# Allegro board 08_041351d.brd (continued)
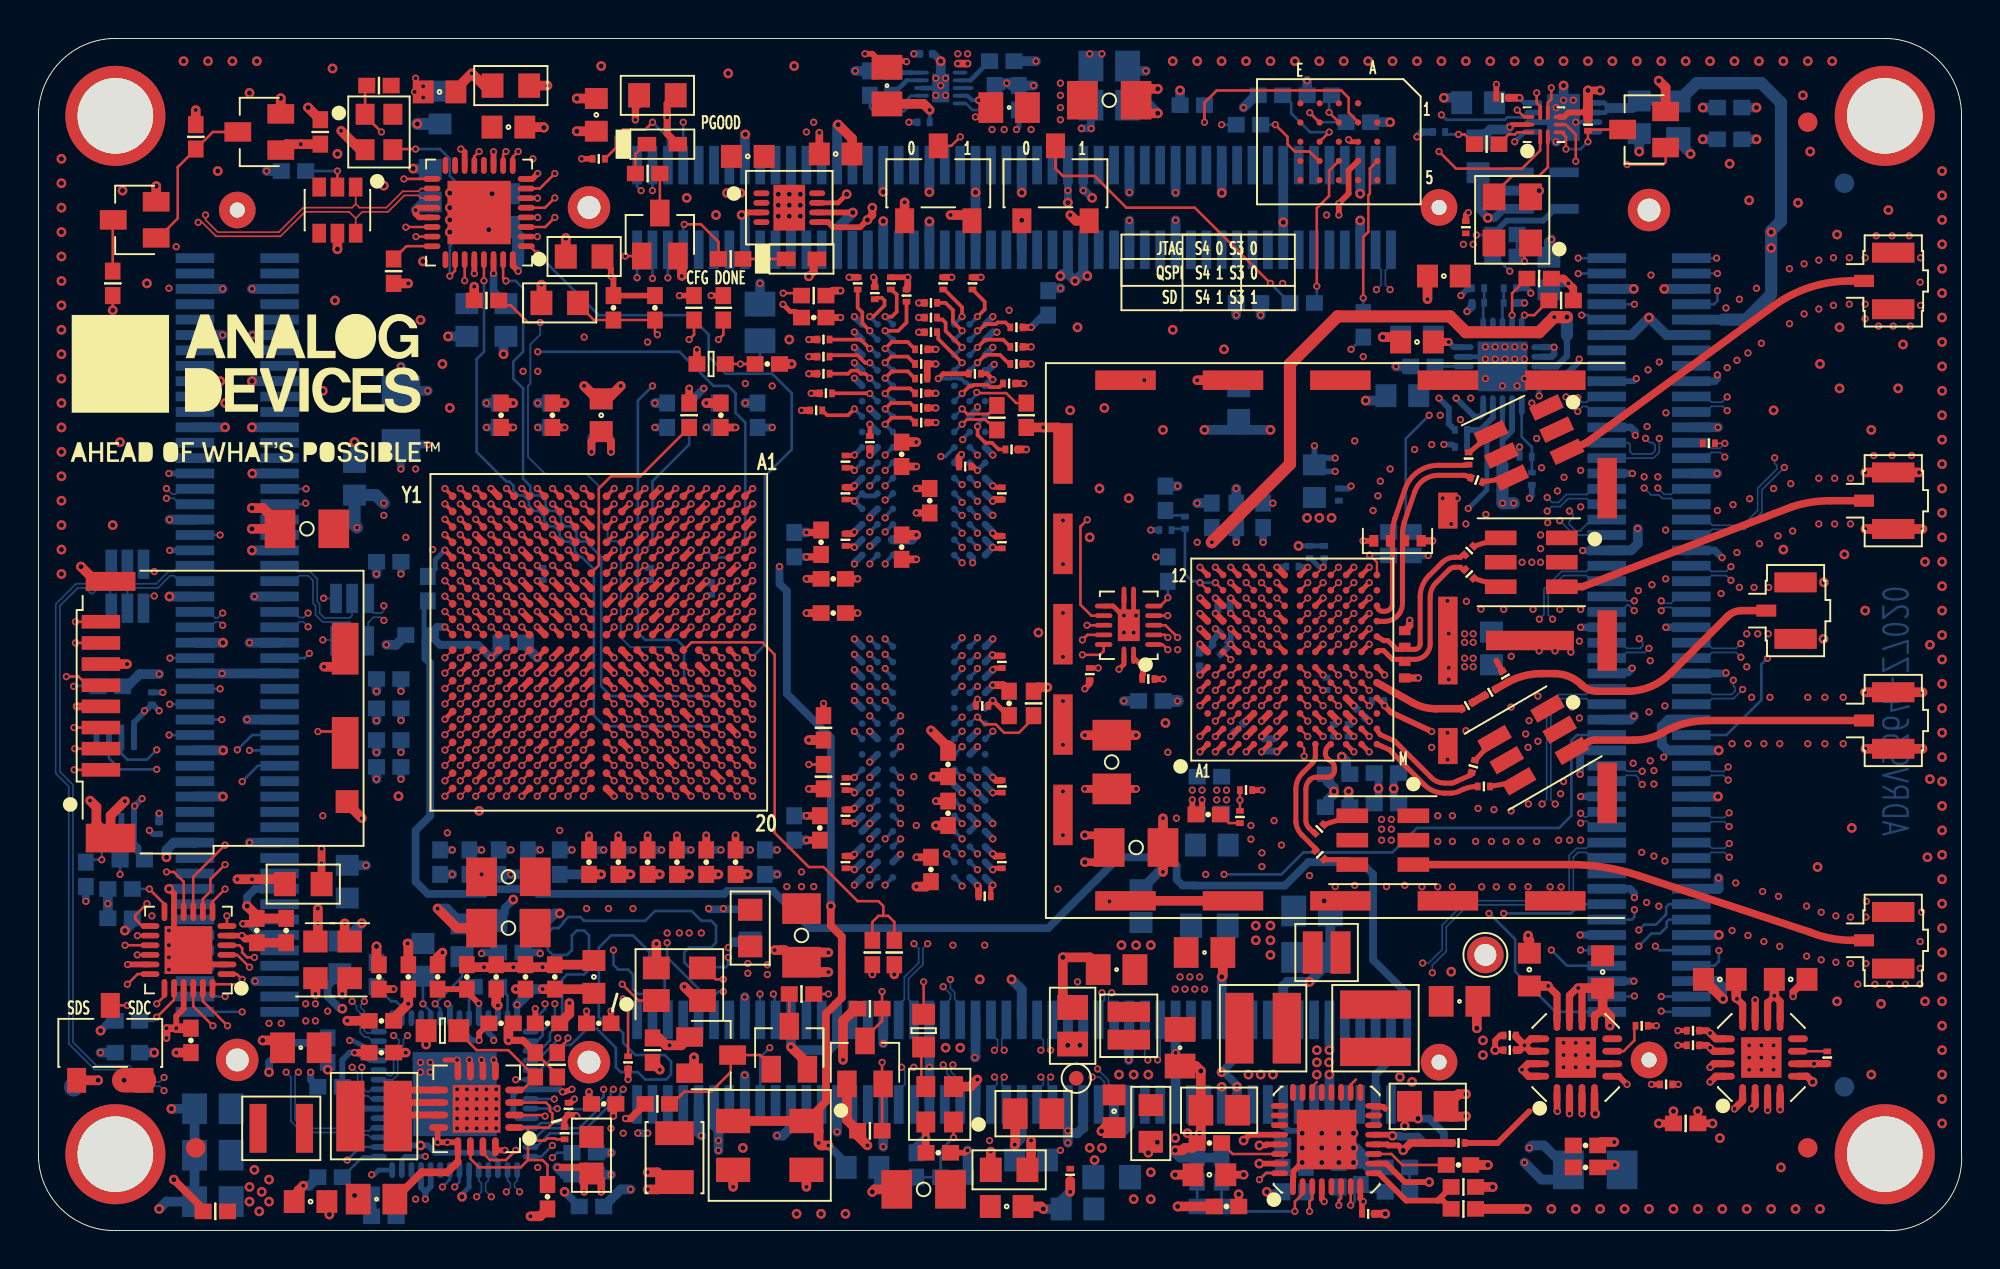
[diagram p0: board, top side]
## Routing (per net, layer and track width the routed paths; a pad name or vN(x,y) marks a point on that pad's centre or on a via; arc(x,y) is an arc through that point) (continued)
  L16_SIGNAL w0.095: v1(35.54,31.39) 35.19,31.73 34.6,31.73 34.34,31.48 34.34,31.1 33.83,30.59 31.93,30.59 31.47,30.13 31.39,30.13 31.2,29.93 31.2,29.77 30.88,29.45 30.72,29.45 30.4,29.13 30.4,28.97 30.08,28.65 29.92,28.65 28.82,27.55 28.82,21.51 28.12,20.81 28.12,18.78 25.27,15.93 25.27,10.85 25.2,10.78 25.2,4.81 25.96,4.05 v1(25.96,3.28)
  BOTTOM w0.14: U10.7 21.89,2.52 v1(21.64,2.27)
PS_MIO53_501_ETH0_MDIO: length 43.1
  TOP w0.127: U1.C11 v1(35.54,29.79)
  L4_SIGNAL w0.095: v1(21.01,2.27) 21.64,2.9 24.69,2.9 25.58,3.79 v1(26.72,3.79)
  L16_SIGNAL w0.095: v1(26.72,3.79) 25.45,5.06 25.45,10.65 25.49,10.69 25.49,11.67 25.58,12.17 25.58,15.6 28.63,18.65 28.63,19.79 29.26,20.43 29.26,27.2 29.92,27.85 30.08,27.85 30.4,28.17 30.4,28.33 30.72,28.65 30.88,28.65 31.2,28.97 31.2,29.13 31.52,29.45 31.68,29.45 32,29.77 32,29.93 32.2,30.13 32.24,30.13 32.44,30.32 32.95,30.33 34.44,30.33 34.69,30.59 35.1,30.59 35.54,30.16 v1(35.54,29.79)
  BOTTOM w0.14: R11.2 26.98,4.05 v1(26.72,3.79) ; v1(21.01,2.27) 21.38,2.64 21.39,2.64 U10.8
PWR_ENABLE: length 96
  TOP w0.14: v1(31.93,57.64) 31.55,57.26 30.41,57.26 30.02,56.88 30.02,56.31 R56.2 ; v1(24.82,4.17) 24.31,3.66 23.48,3.66 23.11,4.04 U18.15
  L16_SIGNAL w0.095: v1(31.93,57.64) 31.93,58.15 31.42,58.66 29.39,58.66 28.94,58.21 25.9,58.21 25.2,57.51 20.88,57.51 20.37,57 18.34,57 10.47,49.13 10.47,26.78 8.56,24.87 8.56,11.92 9.2,11.28 9.96,11.28 10.85,10.4 12.75,10.4 14.02,9.13 15.04,9.13 15.55,8.62 15.55,3.54 15.93,3.16 16.69,3.16 16.94,3.41 24.06,3.41 v1(24.82,4.17)
  BOTTOM w0.14: JX1.5 32.73,56.84 v1(31.93,57.64)
PWR_GD: length 104.8
  TOP w0.254: v2(42.03,53.89) 41.58,53.44 U9.7
  TOP w0.305: U19.5 82.18,8.02 v1(82.6,7.6) ; R306.1 v1(83.87,7.6)
  TOP w0.381: U20.5 91.96,8.02 v2(92.25,7.73)
  L12_SIGNAL w0.305: v2(42.03,53.89) 42.85,54.72 69.14,54.72 75.24,48.62 75.24,47.48 75.87,46.84 85.14,46.84 86.16,45.83 86.16,37.22 87.45,35.92 88.51,35.92 91.11,33.32 91.11,13.57 92.51,12.17 92.51,11.03 93.02,10.52 93.02,8.49 v2(92.25,7.73) 89.78,7.73 89.14,7.09 84.38,7.09 v1(83.87,7.6) v1(82.6,7.6)
PWR_GD_1.35V: length 80.5
  TOP w0.127: U1.C7 v1(35.54,33.79)
  TOP w0.305: v2(70.96,4.17) 70.71,4.42 70.2,4.42 70.14,4.48 U4.12
  TOP w0.406: R22.1 71.35,4.55 v2(70.96,4.17) ; v2(41.2,16.87) 41.2,15.86 41.77,15.28 41.77,12.11 40.95,11.28 40.95,6.71 SW1.1A
  TOP w0.508: v1(41.07,4.43) 40.69,4.43 v1(40.57,4.55) 40.57,5.19 40.06,5.7 SW1.1A SW1.1B
  L4_SIGNAL w0.203: v1(35.54,33.79) 35.93,34.18 38.19,34.18 v1(38.53,34.53)
  L4_SIGNAL w0.406: v1(40.57,4.55) 40.69,4.43 v1(41.07,4.43) 42.09,3.41 44.5,3.41 45.9,2.01 52.31,2.01 53.07,1.25 55.04,1.25 56.06,2.27 60.5,2.27 61.7,1.07 63.88,1.07 65.58,2.78 68.51,2.78 69.9,4.17 v2(70.96,4.17)
  BOTTOM w0.406: C34.1 42,3.5 v1(41.07,4.43) ; v1(38.53,34.53) 38.53,33.64 38.91,33.26 38.91,27.92 41.2,25.64 v2(41.2,16.87)
RX_EXT_LO: length 16.3
  TOP w0.127: v1(65.81,24.67) 65.81,25.08 U17.G1
  L16_SIGNAL w0.095: v1(65.81,24.67) 65.81,22.23 69.55,18.49 69.55,17.73 70.66,16.62 72.95,16.62 W1.1
RX_VCO_LDO_OUT: length 8.3
  TOP w0.127: U17.G3 v1(66,26.49) ; U17.G2 v1(66,25.69)
  TOP w0.14: 62.47,21.83 v1(62.47,22.38) C13.2
  L16_SIGNAL w0.095: v1(62.47,22.38) 62.47,23.03 63.49,24.05 64.35,24.05 v1(66,25.69) v1(66,26.49)
RXA_N: length 6.2
  TOP w0.267: C8.2 74.53,23.81 74.48,23.69 73.78,23.38 73.72,23.36 73.69,23.34 arc(73.61,23.3) 73.53,23.28 arc(73.48,23.27) 73.43,23.27 73.13,23.27 arc(72.74,23.34) 72.42,23.56 70.53,25.45 69.78,25.78 arc(69.67,25.93) U17.M2
RXA_P: length 6.2
  TOP w0.267: U17.M1 69.82,25.2 70.23,25.01 72.05,23.19 arc(72.54,22.86) 73.13,22.75 73.43,22.75 arc(73.7,22.78) 73.96,22.89 74.14,22.97 arc(74.49,23.06) C9.2
RXB_N: length 6.2
  TOP w0.267: C85.2 66.34,20.66 66.07,20.94 arc(65.95,21.1) 65.9,21.29 65.9,22.94 arc(65.95,23.21) 66.11,23.44 arc(66.26,23.54) 66.45,23.58 67.04,23.58 arc(67.29,23.68) 67.39,23.92 67.39,24.07 arc(67.34,24.26) 67.2,24.41 67.08,24.49 arc(66.98,24.61) 66.92,24.75 arc(66.97,25.07) U17.J1
RXB_P: length 6.3
  TOP w0.267: C90.2 66.4,19.87 65.7,20.57 arc(65.48,20.88) 65.38,21.25 arc(65.38,21.26) 65.38,21.27 65.38,22.94 arc(65.47,23.41) 65.74,23.81 66.19,24.26 arc(66.34,24.44) 66.4,24.67 U17.H1
S_IN_N: length 55.9
  L16_SIGNAL w0.089: v1(6.53,7.28) 6.74,7.49 8.69,7.49 9.34,6.84 11.12,6.84 15.65,2.31 20.4,2.31 20.99,2.9 24.29,2.9 24.54,2.65 24.54,2.23 v1(24.33,2.01)
  BOTTOM w0.089: v1(6.53,7.28) 6.29,7.51 5.48,7.51 4.62,8.36 2.92,8.36 1.58,9.71 1.58,23.1 0.9,23.77 0.9,32.58 1.96,33.64 3.61,33.64 3.74,33.76 3.74,34.6 JP2.3 ; v1(24.33,2.01) 24.53,2.22 24.53,2.46 24.39,2.6 U10.2
S_IN_P: length 55.9
  L16_SIGNAL w0.089: v1(25.01,2.01) 24.8,2.23 24.8,2.75 24.4,3.16 20.88,3.16 20.29,2.57 15.76,2.57 11.23,7.09 9.45,7.09 8.8,7.75 6.74,7.75 v1(6.53,7.96)
  BOTTOM w0.089: v1(25.01,2.01) 24.75,2.28 24.75,2.46 24.89,2.6 U10.1 ; v1(6.53,7.96) 6.29,7.73 5.56,7.73 4.71,8.58 3.01,8.58 1.79,9.8 1.79,23.19 1.11,23.86 1.11,32.49 2.05,33.42 2.43,33.42 2.72,33.13 2.83,33.13 3.12,33.42 3.57,33.42 3.74,33.26 3.74,32.42 JP1.3
S_OUT_N: length 41.6
  L6_SIGNAL w0.089: v1(22.79,1.76) 23.04,2.01 23.04,2.52 22.53,3.03 19.36,3.03 18.85,3.54 18.85,5.17 20.88,7.2 20.88,9.99 21.77,10.88 21.77,12.32 19.7,14.39 19.7,23.51 19.23,23.98 18.59,23.98 18.09,24.49 18.09,28.56 17.2,29.45 17.2,31.91 17.47,32.19 17.65,32.19 v1(17.96,32.49)
  BOTTOM w0.089: U10.5 22.89,2.6 23.03,2.46 23.03,2.01 v1(22.79,1.76) ; JP4.3 17.15,32.42 17.45,32.11 17.83,32.11 17.96,32.24 v1(17.96,32.49)
S_OUT_P: length 41.6
  L6_SIGNAL w0.089: v1(17.96,31.73) 17.76,31.93 17.58,31.93 17.45,31.81 17.45,31.6 17.71,31.35 17.71,31.22 17.45,30.97 17.45,29.55 18.34,28.66 18.34,24.6 18.7,24.24 19.33,24.24 19.95,23.62 19.95,14.5 22.02,12.43 22.02,10.78 21.13,9.89 21.13,7.09 19.1,5.06 19.1,3.64 19.46,3.28 22.64,3.28 23.29,2.63 23.29,2.01 v1(23.55,1.76)
  BOTTOM w0.089: v1(17.96,31.73) 17.79,31.9 17.43,31.9 17.15,31.62 JP3.3 ; U10.4 23.39,2.6 23.25,2.46 23.25,2.06 v1(23.55,1.76)
SCL: length 83.6
  TOP w0.127: U1.W6 v1(21.94,34.59)
  L4_SIGNAL w0.095: v1(21.94,34.59) 21.94,34.56 21.58,34.21 20.94,34.21 20.44,34.72 16.56,34.72 15.55,33.7 15.55,18.65 16.5,17.7 25.07,17.7 26.72,16.05 31.1,16.05 31.87,16.81 33.52,16.81 33.98,16.34 35.51,16.34 37.52,14.33 v1(37.52,12.3)
  L13_SIGNAL w0.095: v1(21.94,34.59) 21.94,34.56 21.52,34.14 20.5,34.14 19.99,33.64 16.94,33.64 16.31,34.27 10.47,34.27 7.93,31.73 7.93,22.21 v1(4.24,18.52)
  BOTTOM w0.14: JX2.17 37.52,10.97 v1(37.52,12.3) ; U21.2 4.31,19.36 R58.2 v1(4.24,18.52)
SCL_AD7291: length 114.6
  TOP w0.14: v1(77.27,47.61) 77.78,47.61 R44.2
  L12_SIGNAL w0.095: v1(77.27,47.61) 78.03,48.37 78.03,52.31 70.28,60.05 66.19,60.05 66.11,60.14 65.82,60.14 65.74,60.05 62.03,60.05 60.62,58.65 59.48,58.65 56.57,55.73 29.64,55.73 29.03,56.35 25.81,56.35 24.81,55.35 20.37,55.35 17.71,52.69 17.71,52.18 15.79,50.27 14.14,50.27 11.74,47.86 9.96,47.86 6.28,44.18 6.28,40.75 5.26,39.73 5.26,30.21 5.64,29.83 5.64,28.94 6.02,28.56 6.66,28.56 7.42,27.79 7.42,25.51 6.91,25 v1(6.15,25)
  BOTTOM w0.14: v1(77.27,47.61) 77.13,47.46 U24.15 ; v1(6.15,25) 5.64,24.49 4.62,24.49 4.31,24.8 U21.7
SD_SEL: length 128.8
  TOP w0.14: v1(79.94,55.61) 79.94,57 79.43,57.51 U5.5 ; v1(10.59,12.43) 10.21,12.81 9.2,12.81 9.05,12.66 U11.24 ; S1.2 v1(4.62,11.71)
  L6_SIGNAL w0.095: v1(10.59,12.43) 10.34,12.68 5.6,12.68 v1(4.62,11.71)
  L15_SIGNAL w0.095: v1(79.94,55.61) 37.83,55.61 37.07,54.85 37.07,53.45 36.95,53.32 34.85,53.32 31.93,56.24 25.83,56.24 25.33,56.75 18.53,56.75 11.74,49.96 11.74,27.73 13.07,26.4 14.72,26.4 14.97,26.14 14.97,24.94 10.04,20.01 10.04,19.91 9.84,19.71 9.75,19.71 9.07,19.03 9.07,13.95 v1(10.59,12.43)
SDA: length 86.3
  TOP w0.14: U1.V6 v1(22.74,34.59)
  L4_SIGNAL w0.095: v1(38.22,12.3) 38.47,12.55 38.47,13.89 36.18,16.17 36.18,16.75 35.8,17.13 26.15,17.13 25.2,18.08 16.69,18.08 15.99,18.78 15.99,31.92 17.45,33.38 22.15,33.38 22.34,33.58 22.34,34.19 v1(22.74,34.59)
  L13_SIGNAL w0.095: v1(3.29,19.29) 3.29,18.78 3.99,18.08 4.5,18.08 8.43,22.02 8.43,31.6 10.59,33.76 16.05,33.76 16.82,33 20.5,33 20.88,33.38 22.15,33.38 22.4,33.63 22.4,34.25 v1(22.74,34.59)
  BOTTOM w0.14: v1(38.22,12.3) 38.28,12.24 38.28,11.01 JX2.19 ; R57.2 2.59,19.29 v1(3.29,19.29) 3.29,19.73 3.66,20.1 U21.3
SDA_AD7291: length 113.3
  TOP w0.14: R42.2 76.63,48.74 v1(76.63,47.6)
  L12_SIGNAL w0.095: v1(6.15,23.98) 6.91,23.98 7.8,24.87 7.8,28.18 6.15,29.83 6.15,30.08 5.64,30.59 5.64,39.48 7.8,41.64 7.8,44.18 10.97,47.35 12.12,47.35 14.4,49.64 16.05,49.64 18.34,51.92 18.34,52.43 20.65,54.74 24.35,54.74 24.37,54.72 25.23,54.72 25.86,55.35 56.95,55.35 59.62,58.02 60.89,58.02 61.9,59.04 70.41,59.04 77.01,52.43 77.01,50.63 76.93,50.54 76.93,50.26 77.01,50.17 77.01,49.64 76.63,49.26 76.63,47.61 v1(76.63,47.6)
  BOTTOM w0.14: U21.6 3.66,24.56 4.24,23.98 v1(6.15,23.98) ; U24.14 v1(76.63,47.6)
SDIO_CLKB0: length 24.6
  TOP w0.14: U11.19 6.55,12.19 v1(6.15,11.79) ; J3.5 2.54,28.36 2.08,28.81 v1(1.45,28.81)
  L6_SIGNAL w0.095: v1(1.45,28.81) 1.96,28.81 2.37,28.4 2.37,28.34 3.48,27.23 3.48,21.06 2.72,20.3 2.72,18.97 3.23,18.46 3.23,12.49 4.5,11.22 5.58,11.22 v1(6.15,11.79)
SDIO_CLKB1: length 16.8
  TOP w0.14: v1(5.64,17) 5.04,16.4 5.04,16.2 5.41,15.84 U11.13
  L6_SIGNAL w0.095: v1(5.64,17) 6.91,17 7.93,18.02 7.93,26.65 v1(9.45,28.17)
  BOTTOM w0.14: JX3.43 v1(9.45,28.17)
SDIO_CMDB0: length 23.2
  TOP w0.14: U11.20 7.05,11.99 v1(6.15,11.09) ; J3.3 v1(1.85,26.16)
  L6_SIGNAL w0.095: v1(6.15,11.09) 5.96,10.9 4.31,10.9 2.85,12.36 2.85,17.51 2.34,18.02 2.34,20.56 3.23,21.44 3.23,24.78 v1(1.85,26.16)
  BOTTOM w0.14: R109.2 5.96,10.9 v1(6.15,11.09)
SDIO_CMDB1: length 13.2
  TOP w0.14: U11.12 6.55,16.98 v1(5.77,17.76)
  L15_SIGNAL w0.095: v1(10.59,23.35) 10.59,22.21 8.56,20.17 8.56,19.03 7.8,18.27 6.28,18.27 v1(5.77,17.76)
  BOTTOM w0.14: v1(10.59,23.35) 10.8,23.56 10.8,23.56 11.41,24.17 JX3.34 ; v1(5.77,17.76) 4.88,17.76
SDIO_DAT0B0: length 22.2
  TOP w0.14: v1(4.62,12.81) 5.15,13.34 U11.18 ; J3.7 v1(1.93,30.56)
  L6_SIGNAL w0.095: v1(4.62,12.81) 3.61,13.82 3.61,16.11 4.37,16.87 4.37,17.44 3.86,17.95 3.86,27.54 1.93,29.48 v1(1.93,30.56)
SDIO_DAT0B1: length 14.5
  TOP w0.14: U11.14 v1(5.14,15.34)
  L6_SIGNAL w0.095: v1(6.79,25.77) 7.55,25.02 7.55,18.78 7.04,18.27 5.77,18.27 5.14,17.65 v1(5.14,15.34)
  BOTTOM w0.14: JX3.37 v1(6.79,25.77)
SDIO_DAT1B0: length 21.6
  TOP w0.14: U11.16 v1(5.14,14.34) ; J3.8 v1(1.93,31.66)
  L6_SIGNAL w0.095: v1(5.14,14.34) 5.13,14.33 4.37,14.33 3.99,14.71 3.99,15.98 4.62,16.62 4.62,19.98 4.12,20.49 4.12,27.92 2.59,29.45 2.59,30.99 v1(1.93,31.66)
SDIO_DAT1B1: length 17.6
  TOP w0.14: U11.15 v1(4.5,14.84)
  L6_SIGNAL w0.095: v1(10.97,24.97) 11.36,24.59 11.36,22.59 10.47,21.7 10.47,19.29 8.94,17.76 8.94,16.62 7.55,15.22 6.28,15.22 5.89,14.84 v1(4.5,14.84)
  BOTTOM w0.14: JX3.36 v1(10.97,24.97)
SDIO_DAT2B0: length 24.6
  TOP w0.14: v1(9.83,10.65) 8.55,11.93 U11.23 ; J3.1 v1(1.86,23.96)
  L6_SIGNAL w0.095: v1(9.83,10.65) 9.32,11.16 6.78,11.16 5.89,10.27 4.5,10.27 1.86,12.91 v1(1.86,23.96)
SDIO_DAT2B1: length 12.6
  TOP w0.14: U11.8 8.55,17.24 8.94,17.63 8.94,18.27 v1(9.7,19.03)
  L6_SIGNAL w0.095: v1(9.53,26.57) 9.5,26.57 9.07,26.14 9.07,24.49 10.09,23.48 10.09,19.41 v1(9.7,19.03)
  BOTTOM w0.14: JX3.39 v1(9.53,26.57)
SDIO_DAT3B0: length 26.7
  TOP w0.14: U11.22 8.05,11.67 v1(9.07,10.65) ; J3.2 v1(1.89,25.06)
  L6_SIGNAL w0.095: v1(9.07,10.65) 9.07,10.01 7.67,8.62 5.64,8.62 1.45,12.81 1.45,24.62 v1(1.89,25.06)
SDIO_DAT3B1: length 13.6
  TOP w0.14: U11.10 7.55,18.14 7.04,18.65 v1(6.66,18.65)
  L15_SIGNAL w0.095: v1(10.34,25) 10.34,24.11 8.18,21.95 8.18,19.29 7.55,18.65 v1(6.66,18.65)
  BOTTOM w0.14: JX3.38 11.11,25.77 v1(10.34,25)
SYNC: length 6.4
  TOP w0.356: U18.10 19.1,6.66 ; 19.1,6.66 19.1,6.01 U18.11 ; 19.1,6.66 19.1,7.31 U18.9
TX_MON: length 4.7
  TOP w0.394: U17.M5 71.47,27.44 arc(72.04,27.21) 72.65,27.14 C6.2
TX_VCO_1P1V_SUPPLY: length 6
  TOP w0.127: U17.A11 v1(60.4,33.69) ; U17.B11 v1(61.2,33.69)
  BOTTOM w0.14: v1(61.2,33.69) v1(60.4,33.69) 60.33,33.76 60,33.76 59.62,34.14 R123.1 58.98,36.49 C104.2
TXA_N: length 8.7
  TOP w0.267: U17.M8 69.95,30.68 70.17,30.68 70.62,30.23 70.93,30.23 L8.2 71.12,30.34 71.23,30.23 71.56,30.23 arc(71.76,30.31) 71.85,30.51 71.85,32.95 arc(71.96,33.55) 72.3,34.06 72.99,34.74 arc(73.29,34.94) 73.65,35.01 73.95,35.01 74.07,35.14 C25.1
TXA_P: length 8.7
  TOP w0.267: C26.1 74.07,34.37 73.95,34.49 73.65,34.49 arc(73.49,34.46) 73.36,34.37 72.67,33.69 arc(72.45,33.35) 72.37,32.95 72.37,30.51 arc(72.13,29.94) 71.56,29.7 71.15,29.7 L9.2 70.94,29.7 70.41,29.7 69.95,30.16 69.66,30.16 U17.M7
TXB_N: length 11.2
  TOP w0.267: U17.M10 69.63,32.39 arc(69.73,32.25) 69.88,32.2 69.99,32.2 arc(70.28,32.32) 70.4,32.61 70.4,33.64 70.41,34.83 70.41,35.76 L1.2 70.4,35.98 70.41,36.22 arc(70.44,36.63) 70.53,37.02 arc(70.53,37.02) 70.53,37.02 71.07,38.57 arc(71.74,39.47) 72.81,39.8 74.07,39.8 arc(74.22,39.8) C99.1
TXB_P: length 11.2
  TOP w0.267: C110.1 74.25,39.25 arc(74.19,39.27) 74.13,39.28 72.81,39.28 arc(72.04,39.04) 71.56,38.4 71.03,36.86 arc(70.95,36.54) 70.93,36.22 70.93,35.98 L2.2 70.93,35.76 70.93,34.83 70.93,33.64 70.93,32.61 arc(70.65,31.95) 69.99,31.68 69.61,31.68 U17.M9
UNNAMED_2_CAP_I87_N1: length 1.8
  BOTTOM w0.14: U10.41 24.39,12.22 C242.1
UNNAMED_2_CAP_I87_N2: length 1.7
  BOTTOM w0.14: C242.2 22.39,12.42 U10.37
UNNAMED_2_CAP_I153_N1: length 15.4
  TOP w0.14: v1(30.36,12.81) 31.2,11.96 Y2.1
  L4_SIGNAL w0.095: v1(30.36,12.81) 29.9,12.81 29.71,13 21.2,13 v1(19.99,11.79)
  BOTTOM w0.14: C59.1 v1(19.99,11.79) 20.39,11.39 U10.33
UNNAMED_2_CAP_I154_N1: length 22.6
  TOP w0.14: Y2.3 34.64,13.66 35.23,13.06 v1(35.61,13.06)
  L4_SIGNAL w0.095: v1(35.61,13.06) 35.99,12.68 35.99,12.05 35.55,11.6 30.21,11.6 29.64,12.17 23.42,12.17 23.17,12.43 21.26,12.43 v1(20.63,11.79)
  BOTTOM w0.14: U10.34 20.89,11.53 v1(20.63,11.79) 22.02,13.19 C60.1
UNNAMED_2_DIO6PV8_I47_REF1: length 2.5
  TOP w0.14: U16.2 v1(15.55,55.1)
  BOTTOM w0.14: R178.2 v1(15.55,55.1)
UNNAMED_2_IC88E151X_I86_CONFIG: length 2.3
  BOTTOM w0.14: U10.15 16.87,3.84 R12.2
UNNAMED_2_IC88E151X_I86_RSET: length 2.3
  BOTTOM w0.14: R50.1 18.34,11.92 18.59,11.92 18.89,11.62 U10.30
UNNAMED_2_ICUSB3320C_I42_RBIAS: length 2.3
  TOP w0.14: U15.24 19.13,51.19 R176.1
UNNAMED_2_ICUSB3320C_I42_REFCLK: length 4
  TOP w0.14: U15.26 21.66,49.91 v1(21.39,49.64)
  BOTTOM w0.14: R175.1 21.39,51.2 v1(21.39,49.64)
UNNAMED_2_RES_I8_N2: length 25.5
  TOP w0.14: R194.2 43.36,16.05 43.68,16.36 43.93,16.36 ; 43.93,16.36 44.18,16.36 44.5,16.05 R191.1 ; 43.93,16.36 43.93,16.87 43.68,17.13 42.6,17.13 40.82,18.9 40.06,18.9 38.28,20.68 38.28,29.95 37.64,30.59 33.96,30.59 33.56,30.19 U1.E11
UNNAMED_2_RES_I50_N2: length 5.5
  TOP w0.14: Y3.3 18.46,56.24 v1(19.61,56.24)
  BOTTOM w0.14: R175.2 22.32,53.92 21.39,54.85 21.39,55.73 20.88,56.24 v1(19.61,56.24)
UNNAMED_2_RES_I105_N1: length 2.7
  TOP w0.14: Q4.3 3.86,52.53 R18.1
UNNAMED_2_RES_I108_N2: length 8.1
  TOP w0.14: Q4.1 6.22,51.62 7.24,52.64 7.24,55.3 R16.2 9.07,57.13 Q2.3
UNNAMED_2_RES_I112_N1: length 1.7
  TOP w0.14: R17.1 Q3.3
UNNAMED_2_RES_I114_N2: length 7.2
  TOP w0.14: Q3.1 38.1,8.54 37.52,9.13 Q1.3 35.99,9.02 35.99,8.24 34.98,7.22 33.58,7.22 32.95,6.59 R15.2
UNNAMED_3_ICMT25Q_I231_RESET: length 8.2
  TOP w0.14: v1(68.89,48.5) 68.89,51.67 69.15,51.94 69.15,53.84 69.23,53.92 69.23,55.23 U13.A4
  BOTTOM w0.14: R19.2 v1(68.89,48.5)
UNNAMED_3_ICXC7Z20_I217_PSCLK50: length 43.5
  TOP w0.127: U1.E7 v1(33.94,33.79)
  TOP w0.14: R114.2 v1(46.03,12.94)
  L12_SIGNAL w0.095: v1(27.1,20.81) 27.1,19.54 28.88,17.76 29.26,17.76 31.21,15.81 34.61,15.81 34.81,15.62 34.81,15.32 35.08,15.05 35.08,14.49 37.18,12.39 37.18,12.16 37.42,11.92 41.94,11.92 42.95,12.94 v1(46.03,12.94)
  L16_SIGNAL w0.095: v1(33.94,33.79) 33.61,33.79 33.15,33.33 32.99,33.33 32.8,33.13 32.8,32.97 32.35,32.53 31.39,32.53 31.2,32.33 31.2,32.14 30.78,31.73 30.59,31.73 30.4,31.53 30.4,31.34 28.38,29.33 28.19,29.33 28,29.13 28,28.94 27.99,28.94 27.99,22.33 27.1,21.44 v1(27.1,20.81)
UNNAMED_3_RES_I30_N2: length 16.3
  TOP w0.14: S3.2 52.88,55.23 53.27,54.85 54.92,54.85 56.57,53.19 60.12,53.19 v1(64.06,49.26)
  BOTTOM w0.14: R121.2 v1(64.06,49.26)
UNNAMED_3_RES_I33_N2: length 16.2
  TOP w0.14: v1(47.93,56.88) 47.47,56.41 S4.2
  L4_SIGNAL w0.095: v1(47.93,56.88) 48.44,56.88 48.69,56.62 60.63,56.62 v1(61.52,57.51)
  BOTTOM w0.14: 62.28,57.51 v1(61.52,57.51)
UNNAMED_3_RES_I222_N1: length 2.2
  TOP w0.14: R114.1 45.91,9.43 45.91,7.72 Y1.3
UNNAMED_3_RES_I228_N2: length 4.4
  TOP w0.14: Y1.1 v1(47.58,4.84)
  BOTTOM w0.14: R40.2 R41.1 46.92,4.17 v1(47.58,4.84)
UNNAMED_5_ICMT41K256M16_I128_ZQ: length 4.2
  TOP w0.14: R165.1 51.74,26.65 50.98,25.89 50.21,25.89 49.78,26.33 49.2,26.33 v1(48.83,26.7)
  BOTTOM w0.14: U2.L8 48.76,26.7 v1(48.83,26.7)
UNNAMED_5_ICMT41K256M16_I137_ZQ: length 3.4
  TOP w0.14: v1(48.78,43.59) 48.82,43.55 50.32,43.55 50.84,43.03 R166.1
  BOTTOM w0.14: U3.L8 48.78,43.48 48.78,43.58 v1(48.78,43.59)
UNNAMED_5_ICTPS51206_I120_S3: length 4
  BOTTOM w0.14: U14.7 45.37,59.02 45.2,58.85 45.2,58.4 45.01,58.21 43.42,58.21 43.23,58.4 R222.2
UNNAMED_5_ICTPS51206_I120_S5: length 1.9
  BOTTOM w0.203: 45.16,59.82 U14.9
  BOTTOM w0.254: R221.2 45.16,59.82
UNNAMED_5_ICTPS51206_I120_VLDOI: length 2
  BOTTOM w0.203: U14.2 48.46,59.82
  BOTTOM w0.254: 48.46,59.82 R6.2
UNNAMED_5_ICTPS51206_I120_VTTSN: length 1.9
  BOTTOM w0.14: R161.2 48.57,58.27 48.22,58.62 U14.5
UNNAMED_5_ICXC7Z20_I195_PSDDR_2: length 7.9
  TOP w0.127: U1.H5 v1(31.54,35.39)
  BOTTOM w0.14: R135.1 33.83,40.88 31.93,38.97 31.93,35.78 v1(31.54,35.39)
UNNAMED_5_ICXC7Z20_I195_PSDDRVR: length 17.6
  TOP w0.127: U1.G5 v1(32.34,35.39)
  TOP w0.14: R134.1 39.55,48.75 v1(38.72,48.75)
  L3_SIGNAL w0.095: v1(32.34,35.39) 32.34,35.44 32.69,35.8 32.69,39.48 34.22,41 34.22,44.24 v1(38.72,48.75)
UNNAMED_6_CAP_I20_N1: length 18.4
  TOP w0.127: U1.G8 v1(32.34,32.99)
  TOP w0.14: L12.2 v1(36.5,45.07) C178.1
  L3_SIGNAL w0.095: v1(32.34,32.99) 32.34,33.03 32.69,33.38 33.33,33.38 33.58,33.64 33.58,39.1 35.49,41 35.49,44.05 v1(36.5,45.07)
  BOTTOM w0.14: C251.1 37.52,45.32 C178.1 v1(36.5,45.07)
UNNAMED_6_CAP_I222_N1: length 20.8
  TOP w0.127: U1.J9 v1(30.74,32.19)
  TOP w0.14: v1(32.18,46.59) 32.06,46.72 C190.1 C189.1 28.88,47.35 28.06,48.18 E1.2
  L3_SIGNAL w0.095: v1(32.18,46.59) 32.18,45.7 31.17,44.69 31.17,32.72 30.74,32.29 v1(30.74,32.19)
UNNAMED_6_CAP_I222_N2: length 27.1
  TOP w0.102: U1.J10 v1(30.74,31.39) ; U1.K10 v1(29.94,31.39)
  TOP w0.127: U1.L9 v1(28.34,32.19)
  TOP w0.305: E12.2 29.33,50.46 29.77,50.02 v1(29.77,49.64) 29.9,49.51 C189.2 C190.2
  L3_SIGNAL w0.102: v1(29.77,49.64) 28.88,48.75 28.88,41.26 29.14,41 29.14,39.73 28.88,39.48 28.88,32.73 v1(28.34,32.19) 29.14,31.39 v1(29.94,31.39) v1(30.74,31.39)
UNNAMED_6_DIOLED_I352_N: length 2.2
  TOP w0.14: 36.63,50.53 D4.C
UNNAMED_6_ICXC7Z20_I344_CFGBVS0: length 20.7
  TOP w0.127: U1.M6 v1(27.54,34.59)
  TOP w0.14: R167.2 34.09,46.59 v1(33.83,46.34)
  L3_SIGNAL w0.095: v1(28.37,46.46) 27.48,45.57 27.48,44.43 27.99,43.92 27.99,41.38 27.1,40.49 27.1,35.03 27.54,34.6 v1(27.54,34.59)
  L7_SIGNAL w0.095: v1(28.37,46.46) 30.15,46.46 30.79,47.1 33.07,47.1 v1(33.83,46.34)
UNNAMED_6_ICXC7Z20_I344_PROGRAM: length 10.6
  TOP w0.14: R169.1 31.29,39.22 29.77,39.22 29.14,38.59 29.14,34.59 U1.L6
UNNAMED_8_AD9364_I22_RBIAS: length 0.9
  TOP w0.127: U17.L4 v1(69.2,27.29)
  BOTTOM w0.14: R125.1 69.33,27.43 v1(69.2,27.29)
UNNAMED_8_CAP_I135_N1: length 1.5
  TOP w0.267: T1.6 C8.1
UNNAMED_8_CAP_I136_N1: length 1.5
  TOP w0.267: T1.4 C9.1
UNNAMED_8_CAP_I200_N1: length 0.8
  TOP w0.394: R1.2 74.56,27.45
UNNAMED_8_CAP_I209_N2: length 1.5
  TOP w0.267: T2.6 C25.2
UNNAMED_8_CAP_I210_N2: length 1.5
  TOP w0.267: T2.4 C26.2
UNNAMED_8_CAP_I395_N2: length 1.2
  TOP w0.14: C12.2 61.9,21.19 R2.2
UNNAMED_8_CAP_I409_N2: length 1.6
  TOP w0.267: T4.6 75.53,41.43 74.39,40.46 C99.2
UNNAMED_8_CAP_I410_N2: length 1.5
  TOP w0.267: T4.4 75.16,38.95 75.09,38.92
UNNAMED_8_CAP_I416_N1: length 1.6
  TOP w0.267: T3.6 C85.1
UNNAMED_8_CAP_I417_N1: length 1.6
  TOP w0.267: T3.4 68.06,19.29 66.88,19.29 C90.1
UNNAMED_8_CAP_I425_N2: length 1.2
  BOTTOM w0.14: R123.2 59.55,37.19 58.73,37.19 58.6,37.32 C105.2
UNNAMED_8_CNBNC3P_I358_CNTR: length 15.5
  TOP w0.394: T1.3 79.74,24.95 80.59,25.42 arc(80.76,25.49) 80.95,25.51 83,25.51 arc(83.74,25.6) 84.43,25.88 84.45,25.89 arc(85.58,26.36) 86.79,26.52 RXA.1
UNNAMED_8_CNBNC3P_I359_CNTR: length 16.5
  TOP w0.394: T2.3 80.29,33.48 91.18,37.64 arc(92.16,37.87) 93.17,37.95 TXA.1
UNNAMED_8_CNBNC3P_I360_CNTR: length 16
  TOP w0.394: R1.1 76.44,28.54 arc(77.27,28.85) 78.15,28.96 78.83,28.96 arc(79.59,28.81) 80.24,28.38 arc(80.61,28.13) 81.04,28.05 82.63,28.05 arc(83.84,28.29) 84.86,28.97 87.81,31.93 arc(88.16,32.16) 88.57,32.24 TXM.1
UNNAMED_8_CNBNC3P_I404_CNTR: length 18.1
  TOP w0.394: TXB.1 94.21,49.38 arc(92.09,49.05) 90.19,48.06 80.5,40.98 T4.3
UNNAMED_8_CNBNC3P_I421_CNTR: length 24
  TOP w0.394: T3.3 79.64,19.03 arc(81.44,18.89) 83.2,18.46 92.1,15.52 arc(93.17,15.2) 94.29,15.09 RXB.1
UNNAMED_8_ICFXL4T245_I328_T: length 1.8
  TOP w0.14: U22.6 58.33,32.48 58.73,32.87 v1(58.73,32.91)
  BOTTOM w0.14: R59.1 v1(58.73,32.91)
UNNAMED_9_ADP1754_I1076_SS: length 2.2
  TOP w0.14: C311.1 82.98,10.59 82.98,9.89 82.42,9.32 U19.7
UNNAMED_9_ADP1754_I1374_SS: length 1.5
  TOP w0.14: C340.1 93.01,9.32 U20.7
UNNAMED_9_ADP2114_I1272_FREQ: length 2.4
  TOP w0.14: v1(66.09,1) 66.09,1.51 66.23,1.64 U4.3
  BOTTOM w0.14: R10.2 66.09,1.82 v1(66.09,1)
UNNAMED_9_ADP2114_I1272_OPCFG: length 2
  TOP w0.14: U4.6 67.73,1.68 67.62,1.57 v1(67.62,1.31)
  BOTTOM w0.14: v1(67.62,1.31) R20.2
UNNAMED_9_ADP2114_I1272_SS1: length 3.2
  TOP w0.14: C142.2 62.09,3.98 U4.30
UNNAMED_9_ADP2114_I1272_SS2: length 4
  TOP w0.14: C144.2 70.92,3.41 70.35,3.98 U4.11
UNNAMED_9_ADP2114_I1272_SW3: length 0.8
  TOP w0.14: 68.51,7.86 68.23,7.58 U4.18 68.23,7.13
UNNAMED_9_ADP2164_I831_PVIN1: length 24.5
  TOP w0.305: 21.81,3.58 U18.13 21.81,4.46 21.68,4.59 v1(21.26,4.59) v1(20.75,4.59) 20.75,5.3 U18.12 ; R301.2 27.36,5.81 R304.2 27.93,6.01 v1(27.99,5.95)
  TOP w0.406: 21.81,3.58 21.26,3.03 19.93,3.03 C66.1
  TOP w0.508: v1(31.68,3.03) 32.18,3.03 32.69,2.52 ; v1(31.68,2.14) 32.18,2.14 32.56,2.52 32.69,2.52 ; 32.69,2.52 L302.2
  L4_SIGNAL w0.406: v1(27.99,5.95) 27.99,5.19 ; 27.99,5.19 28.63,4.55 30.15,4.55 v1(31.68,3.03) v1(31.68,2.14) ; 27.99,5.19 25.2,5.19 24.82,4.81 21.48,4.81 v1(21.26,4.59) v1(20.75,4.59)
UNNAMED_9_ADP2164_I831_RT: length 7.2
  TOP w0.14: v1(27.54,10.01) 27.48,9.96 27.48,9.89 26.98,9.38 R38.1 ; U18.2 26.29,6.01 v1(26.34,5.95)
  L6_SIGNAL w0.095: v1(26.34,5.95) 26.34,8.49 27.54,9.68 v1(27.54,10.01)
UNNAMED_9_ADP2164_I831_SYNC: length 14.7
  TOP w0.14: 25.45,4.68 25.45,5.27 25.45,5.36 ; 25.45,4.68 26.34,4.68 26.45,4.79 26.87,4.79 26.92,4.74 R301.1 ; 25.45,4.68 25.45,3.66 ; U18.14 22.46,3.74 22.91,3.28 25.07,3.28 25.45,3.66 ; 25.45,5.36 U18.1 ; 25.45,5.36 26.51,5.36 26.72,5.57 26.72,6.09 26.59,6.22 26.59,6.46 26.39,6.66 U18.3 ; 25.45,3.66 26.21,3.66 26.47,3.41 C61.1
UNNAMED_9_CAP_I1394_N1: length 0.4
  BOTTOM w0.406: v2(15.04,8.36) C127.1
UNNAMED_9_CAP_I1398_N2: length 24.9
  TOP w0.406: v2(7.04,2.65) 8.56,1.12 R49.1 ; R48.2 v2(20.16,9.67)
  L4_SIGNAL w0.406: v2(7.04,2.65) 11.99,7.6 v2(11.99,8.24) 13.01,9.25 14.28,9.25 15.42,10.4 17.71,10.4 18.21,10.9 19.61,10.9 20.16,10.36 v2(20.16,9.67)
  BOTTOM w0.406: v2(11.99,8.24) 11.99,8.74 13.01,9.76 14.78,9.76 C127.2
UNNAMED_9_CAP_I1416_N2: length 1.3
  BOTTOM w0.14: R47.1 C114.2
UNNAMED_9_CAP_I1449_N1: length 1.3
  BOTTOM w0.14: C69.1 R46.2
UNNAMED_9_DIOLED_I1180_N: length 1.8
  TOP w0.14: D3.C 31.55,56.5 31.04,55.99 R113.1
UNNAMED_9_RES_I987_N2: length 2.1
  TOP w0.14: 32.31,54.97 Q14.3
UNNAMED_10_AD7291_I1_AS0: length 2.1
  BOTTOM w0.14: U24.11 75.13,48.19 R65.2 R66.1
UNNAMED_10_AD7291_I1_AS1: length 2.1
  BOTTOM w0.14: U24.13 76.13,48.18 R63.2 R64.1
UNNAMED_10_AD7291_I1_DCAP: length 1.5
  BOTTOM w0.14: C133.1 U24.8
UNNAMED_10_AD7291_I1_VIN3: length 3.7
  BOTTOM w0.14: R67.2 R68.1 77.65,40.75 77.13,41.27 U24.1
UNNAMED_10_AD7291_I1_VIN6: length 3.1
  BOTTOM w0.305: U24.4 75.63,42.28 74.98,41.64 R61.2 R62.1
UNNAMED_10_AD7291_I1_VREF: length 2.8
  BOTTOM w0.14: C158.1 72.4,44.05 73.2,44.05 73.59,44.44 U24.7
UNNAMED_10_ADG772_I53_D1: length 31.8
  TOP w0.14: U5.2 78.08,56.17 77.14,55.23 73.71,55.23 v1(72.82,56.12)
  L16_SIGNAL w0.095: v1(72.32,42.4) 72.76,42.84 73.88,42.84 74.09,43.06 74.09,46.84 77.01,49.77 77.01,50.02 76.76,50.27 76.76,52.69 74.22,55.23 73.71,55.23 v1(72.82,56.12)
  BOTTOM w0.14: C216.1 71.1,36.71 71.1,41.18 v1(72.32,42.4)
UNNAMED_10_ADG772_I53_IN1: length 4.8
  TOP w0.14: Q6.3 80.63,57.26 R33.2 v1(80.57,56.62) ; v1(79.43,56.24) 79.43,56.88 79.19,57.11 U5.4
  BOTTOM w0.14: v1(79.43,56.24) 80.19,56.24 v1(80.57,56.62)
UNNAMED_10_ADG772_I53_S1A: length 1.8
  TOP w0.14: C62.2 76.44,57 76.78,57 76.89,57.11 U5.1
UNNAMED_10_ADG772_I53_S1B: length 5.1
  TOP w0.14: Y4.3 75.68,53.9 76.63,54.85 78.03,54.85 78.48,55.3 U5.3
UNNAMED_10_ADM7160_I65_VOUT: length 5.1
  BOTTOM w0.14: R55.1 75.49,51.8 75.46,51.77 v1(74.77,51.77)
  BOTTOM w0.305: U7.5 78.86,53.13 78.25,52.52 76.34,52.52 R55.1
  vias: v1(74.09,51.29) v1(74.6,51.29)
